# Altium PCB BaseBoard.PcbDoc (part 2 of 3) (continued)
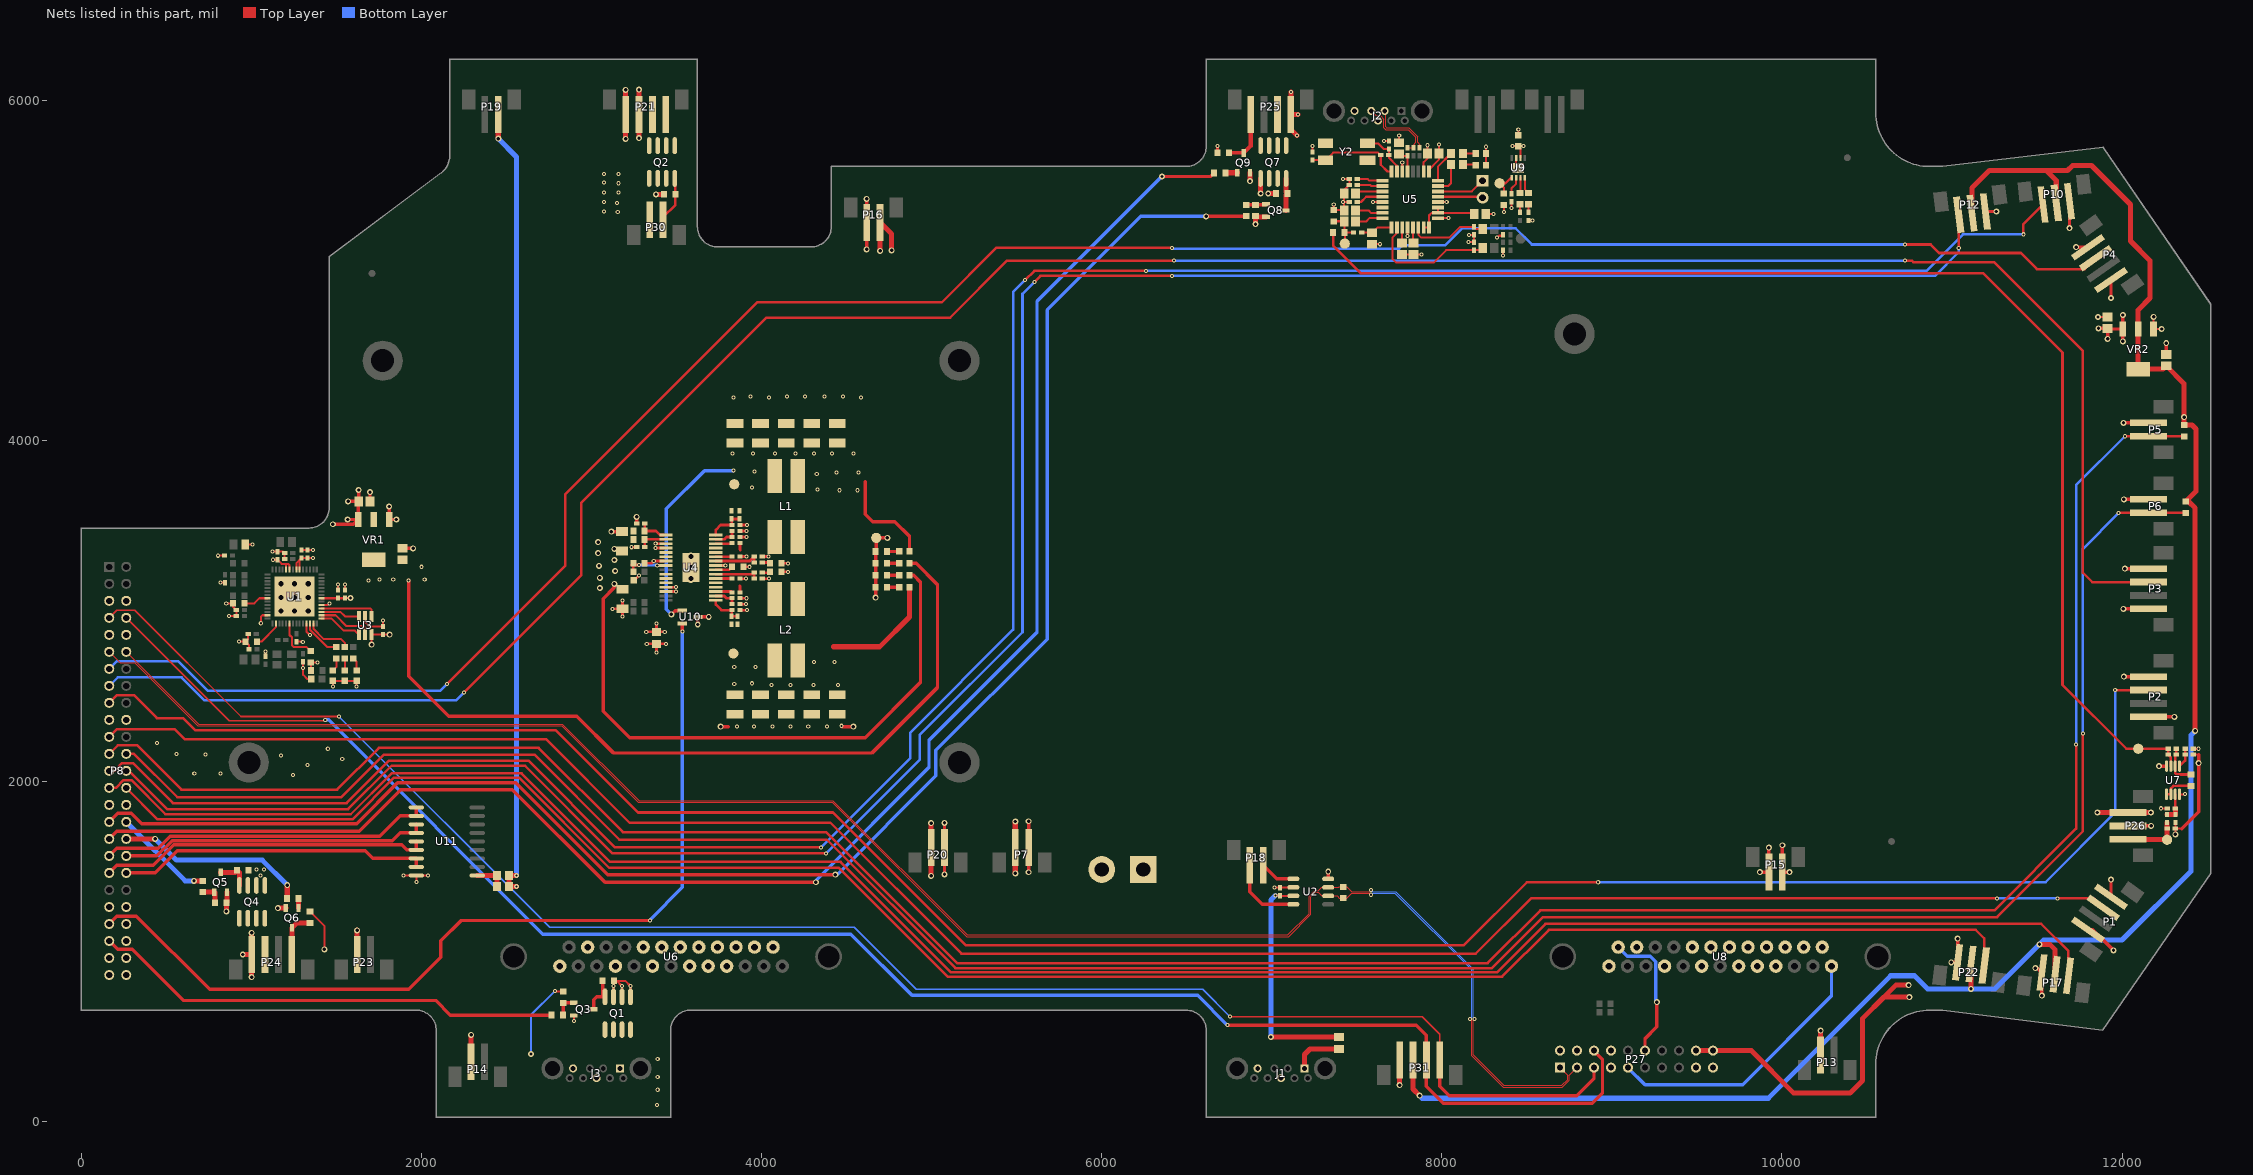
[diagram p4: the nets of this part, all layers, seen from the top]
## Nets (pads, with @x,y where several pads share a name; then routed paths per layer and width w, separated by ;. In a path a pad name is that pad's centre, name@x,y a point inside that pad or via, vN(x,y) a via of type N, cw(c..) or ccw(c..) an arc to the next point about the centre after c; other vN are vias at no path point) (continued)
ADC1: P8.43 U10.2 | length 5426.2
  Top Layer w20: P8.43@165,1160 210,1205 325,1205 755,775 1925,775 2115,965 2115,1060 2235,1180 v1(3345,1180) ; v1(3534.5,2880.5) U10.2@3534.5,2927.5
  Bottom Layer w20: v1(3345,1180) 3345,1185 3534.5,1374.5 v1(3534.5,2880.5)
ADC2/IO: P8.45 R64.1 | length 2782.1
  Top Layer w20: P8.45@165,1060 215,1010 300,1010 600,710 2085,710 2171,624 R64.1@2766.54,624
AGND: C22.2 C33.1 C35.2 C37.2 C39.1 C48.2 R16.2 R18.2 R21.2 R22.2 R23.2 R25.2 R32.2 R33.1 R35.1 U4.7 U4.25 | length 831.3
  Top Layer w16: R22.2@3313.46,3280 3353.23,3280 v1(3366.61,3293.39) U4.7@3438.5,3293.39 ; v1(3322.57,2877.43) R33.1@3383,2877.43 ; v1(3383,2926) R33.1@3383,2877.43 ; v1(3431.43,2877.43) R33.1@3383,2877.43 ; U4.25@3731.5,3267.8 v1(3787.2,3267.8) ; R35.1@3873.62,3005 v1(3914,3005) ; R32.2@3873.62,3040 v1(3910,3040) ; C48.2@3873.62,3075 v1(3911,3075) ; C39.1@3873.62,3190 v1(3909,3190) ; C33.1@3873.62,3320 v1(3911,3320) ; C22.2@3873.62,3435 v1(3911,3435) ; R18.2@3873.62,3470 v1(3912,3470) ; R16.2@3873.62,3505 v1(3914,3505) ; R25.2@3893.46,3260 v1(3929,3260) ; C37.2@4005,3190 v1(4044,3190) ; C35.2@4005,3320 v1(4041,3320) ; R23.2@4118.46,3230 v1(4155,3230) ; R21.2@4118.46,3280 v1(4156,3280)
AUDIO_USB_N: J2.2 R38.1 | length 378.6
  Top Layer w6.98: J2.2@7664.37,5940 7670,5934.37 7670,5845.98 7675,5840.98 7806.56,5840.98 7857.99,5789.55 7857.99,5754.87 7870,5742.86 R38.1@7870,5723.62
AUDIO_USB_P: J2.3 R39.1 R40.1 | length 456.6
  Top Layer w6.98: J2.3@7585.63,5940 7612.05,5913.58 7637.54,5913.58 7659.02,5892.09 7659.02,5841.43 7670.45,5830 7802.01,5830 7847.01,5785 7847.01,5754.87 7835,5742.86 R39.1@7835,5723.62 R40.1@7800,5723.62
BUTTON3: P5.1 P8.23 R10.1 | length 15420.6
  Top Layer w15: P8.23@165,2160 215,2210 330,2210 590,1950 1505,1950 1750,2195 2690,2195 3185,1700 4380,1700 5150,930 8270,930 8580,1240 11250,1240 11730,1720 v1(11730,2215) ; v1(12017.52,4027.52) P5.1@12155,4027.52 12364.02,4027.52 R10.1@12365,4026.54
  Bottom Layer w15: v1(11730,2215) 11730,3740 v1(12017.52,4027.52)
BUTTON4: P6.1 P8.24 R11.1 | length 14920.9
  Top Layer w15: P8.24@265,2160 310,2160 565,1905 1530,1905 1780,2155 2665,2155 3165,1655 4385,1655 5140,900 8295,900 8595,1200 11265,1200 11770,1705 v1(11770,2280) ; v1(11980,3575) 11982.52,3577.52 P6.1@12155,3577.52 12374.02,3577.52 R11.1@12375,3576.54
  Bottom Layer w15: v1(11770,2280) 11770,3365 v1(11980,3575)
CAN2H: P8.10
CAN2L: P8.9
CAN_N: P8.11 P27.3 R15.1 U2.6 | length 10364.5
  Top Layer w3.98: P8.11@165,2760 230,2695 315.89,2695 685.89,2325 2825.89,2325 3275.89,1875 4415.89,1875 5205.87,1085.02 7099.15,1085.02 7230,1215.87 7230,1320.01 7255,1345.01 7274.93,1345.01 7294.94,1325 U2.6@7332.36,1325 7384.86,1325 7398.33,1311.54 R15.1@7420,1311.54 7441.67,1311.54 7470.15,1340.01 7576.49,1340.01 v1(7585,1331.5) ; v1(8166.51,600) 8175.02,591.49 8175.02,385.87 8360.87,200.02 8709.13,200.02 8749.99,240.88 8749.99,269.99 P27.3@8795,315
  Bottom Layer w3.98: v1(7585,1331.5) 7593.51,1340.01 7725.01,1340.01 8175.02,890 8175.02,608.51 v1(8166.51,600)
CAN_P: P8.12 P27.1 R15.2 U2.7 | length 10239.6
  Top Layer w3.98: P8.12@265,2760 690.02,2334.98 2830.02,2334.98 3280.02,1884.98 4420.02,1884.98 5210,1095 7095.02,1095 7220.02,1220 7220.02,1324.14 7250.87,1354.99 7274.93,1354.99 7294.94,1375 U2.7@7332.36,1375 7394.86,1375 7398.33,1378.46 R15.2@7420,1378.46 7441.67,1378.46 7470.15,1349.99 7576.49,1349.99 v1(7585,1358.5) ; v1(8193.51,600) 8185,591.49 8185,390 8365,210 8705,210 8740.01,245.01 8740.01,269.99 P27.1@8695,315
  Bottom Layer w3.98: v1(7585,1358.5) 7593.51,1349.99 7729.14,1349.99 8185,894.13 8185,608.51 v1(8193.51,600)
ECHO_5: P1.3 P8.21 | length 12447.8
  Top Layer w15: P8.21@165,2260 210,2305 550,2305 610,2245 2735,2245 3225,1755 4405,1755 5175,985 8200,985 8525,1310 v1(11265,1310) ; v1(11620,1310) 11835,1310 P1.3@11890,1255
  Bottom Layer w15: v1(11265,1310) v1(11620,1310)
ECHO_6: P2.3 P8.17 | length 13660.6
  Top Layer w15: P8.17@165,2460 210,2505 310,2505 445,2370 600,2370 670,2300 2790,2300 3275,1815 4420,1815 5200,1035 8130,1035 8500,1405 v1(8920,1405) ; v1(11960,2535) P2.3@12155,2535
  Bottom Layer w15: v1(8920,1405) 11550,1405 11960,1815 v1(11960,2535)
ECHO_7: P3.3 P8.15 | length 14933.6
  Top Layer w15: v1(2250,2520) 2940,3210 2940,3635 4030,4725 5110,4725 5445,5060 v1(6425,5060) ; v1(10725,5060) 10765,5060 10775,5050 11250,5050 11770,4530 11770,3225 11825,3170 P3.3@12155,3170
  Bottom Layer w15: P8.15@165,2560 215,2610 590,2610 725,2475 2205,2475 v1(2250,2520) ; v1(6425,5060) v1(10725,5060)
ECHO_8: P4.3 P8.13 | length 13274.3
  Top Layer w15: v1(2150,2570) 2845,3265 2845,3685 3975,4815 5060,4815 5380,5135 v1(6415,5135) ; v1(10725,5155) 10875,5155 10925,5105 11405,5105 11500,5010 11780,5010 P4.3@11845,5075
  Bottom Layer w15: P8.13@165,2660 210,2705 570,2705 745,2530 2110,2530 v1(2150,2570) ; v1(6415,5135) 6420,5130 7750,5130 7770,5150 8020,5150 8120,5250 8435,5250 8530,5155 v1(10725,5155)
EECLK: U1.29 U3.4 | length 257.6
  Top Layer w12: U1.29@1413.5,2955 1473,2955 1543,2885 1609.6,2885 U3.4@1632.6,2862
EECS: U1.30 U3.5 | length 327.3
  Top Layer w12: U1.30@1413.5,2975 1496,2975 1560,2911 1662,2911 1670,2903 U3.5@1670,2862
EEDI: U1.32 U3.1 | length 336.6
  Top Layer w12: U1.32@1413.5,3015 1700,3015 1707.4,3007.6 U3.1@1707.4,2968
EEDO: U1.31 U3.3 | length 230.3
  Top Layer w12: U1.31@1413.5,2995 1524,2995 1551,2968 U3.3@1632.6,2968
FAN1_CTL: P8.31 R73.1 | length 9876.5
  Top Layer w20: P8.31@165,1760 215,1810 295,1810 355,1750 1620,1750 1860,1990 2555,1990 3095,1450 v2(4435,1450) ; v2(6615,5320) R73.1@6848.46,5320
  Bottom Layer w20: v2(4435,1450) 4445,1450 5025,2030 5025,2180 5680,2835 5680,4770 6230,5320 v2(6615,5320)
FAN1_PWM: P8.33 R76.2 | length 9808.6
  Top Layer w20: P8.33@165,1660 210,1705 1635,1705 1880,1950 2535,1950 3080,1405 v2(4320,1405) ; v2(6355,5555) 6641.54,5555 R76.2@6661.54,5575
  Bottom Layer w20: v2(4320,1405) 4320,1415 4985,2080 4985,2240 5620,2875 5620,4820 v2(6355,5555)
FAN2_CTL: P8.32 R68.1 | length 593.5
  Top Layer w30: v2(663.46,1413.46) R68.1@715,1413.46
  Bottom Layer w30: P8.32@265,1760 611.54,1413.46 v2(663.46,1413.46)
FAN2_PWM: P8.34 R71.2 | length 1137.5
  Top Layer w30: P8.34@265,1660 v2(435,1660) ; R71.2@1211.54,1310 v2(1211.54,1388.46)
  Bottom Layer w30: v2(435,1660) 560,1535 1065,1535 v2(1211.54,1388.46)
FB1: C47.1 R30.1 R35.2 U4.17 | length 205.3
  Top Layer w16: U4.17@3731.5,3063.07 3731.5,3038.5 3765,3005 R35.2@3826.38,3005 3825,3003.62 R30.1@3825,2968.62 C47.1@3860,2968.62
FB2: C24.2 R16.1 R20.2 U4.32 | length 218.2
  Top Layer w16: U4.32@3731.5,3446.93 3731.5,3476.5 3760,3505 R16.1@3826.38,3505 3825,3506.38 C24.2@3825,3541.38 R20.2@3870,3541.38
FDX: R12.2 U1.26 | length 233
  Top Layer w12: U1.26@1345,2926.5 1345,2891 1447.54,2788.46 R12.2@1500,2788.46
GND: C1.1 C2.1 C3.1 C4.1 C5.1 C6.1 C7.1 C8.1 C9.1 C10.1 C11.1 C12.1 C13.1 C14.1 C15.1 C16.1 C17.1 C18.1 C19.1 C20.2 C21.2 C25.1 C26.1 C27.1 C28.1 C29.1 C30.1 C32.1 C34.1 C38.1 C40.1 C42.1 C43.1 C44.1 C45.1 C46.1 C49.2 C50.1 C51.1 C53.1 C54.1 C55.1 C56.1 C57.2 C58.2 C59.1 C61.1 C62.1 C63.1 C66.1 C69.2 C70.1 C71.1 C72.1 J1.4 J1.7 J2.4 J2.7 J3.4 J3.7 P1.4 P2.4 P3.4 P4.4 P5.2 P6.2 P7.2 P8.5 P8.6 P8.19 P8.20 P8.29 P8.30 P8.41 P8.42 P9.2 P10.1 P12.1 P15.2 P16.2 P17.1 P20.2 P21.3 P21.4 P22.1 P24.1 P25.1 P26.2 P27.7 P27.8 P27.17 P27.19 P31.1 Q3.2 Q5.2 Q6.2 Q8.2 Q9.2 R6.1 R7.1 R26.2 R29.2 R31.2 R33.2 R34.2 R43.1 R44.1 R45.2 R46.2 R50.1 R53.2 R60.1 R63.1 R69.1 R74.1 TP3.0 U1.13 U1.33 U1.57 U2.2 U2.8 U3.2 U4.3 U4.4 U4.13 U4.14 U4.33 U5.1 U5.6 U5.13 U5.20 U5.25 U5.28 U6.1 U6.4 U6.6 U6.8 U6.9 U6.10 U6.15 U6.18 U7.4 U8.1 U8.4 U8.6 U8.8 U8.9 U8.10 U8.15 U8.18 U9.7 U9.9 U9.V U10.3 U11.9 VR1.1 VR2.1 | length 9155.1
  Top Layer w12: v1(804,3325) C5.1@842.76,3325 ; v1(818.38,3166.38) C4.1@846.38,3166.38 ; v1(853,3045) R6.1@892.91,3045 892.91,3024.84 C3.1@912.76,3005 C15.1@912.76,2970 v1(870,2970) ; v1(927,2820) R7.1@966.54,2820 ; C2.1@981.38,2865 981.38,2834.84 R7.1@966.54,2820 ; C6.1@986.38,2775 986.38,2800.16 R7.1@966.54,2820 ; v1(1056,2928) 1056,2966 1065,2975 U1.13@1096.5,2975 ; C16.1@1085,2733.62 v1(1085,2763) ; v1(1125.62,3348.62) C11.1@1155,3348.62 C14.1@1187.76,3348.62 ; C12.1@1196.38,3305 C14.1@1196.38,3340 ; C13.1@1266,2819.38 1300.62,2819.38 v1(1303,2817) ; C9.1@1295,3358.62 C10.1@1330,3358.62 v1(1362.38,3358.62) ; C17.1@1305,2701.38 v1(1305,2665) 1305,2625 1330,2600 C1.1@1353.5,2600 ; U1.33@1413.5,3035 1450,3035 v1(1460,3045) ; C7.1@1510,3123.62 v1(1510,3155) ; C8.1@1550,3123.62 v1(1550,3155) ; U3.2@1670,2968 1670,2933 1694.38,2908.62 C18.1@1775,2908.62 v1(1775,2943) ; v1(1895,1445) U11.9@1970.87,1445 ; v1(1970.87,1405.87) U11.9@1970.87,1445 ; v1(2040,1445) U11.9@1970.87,1445 ; v1(2896.93,588.07) Q3.2@2896.93,621.6 ; v1(7016.38,1373.62) C19.1@7050,1373.62 U2.2@7126.26,1373.62 ; C62.1@7240,5698.62 v1(7240,5735) ; v1(7365,5390) R50.1@7365,5358.46 C59.1@7423.07,5358.46 ; v1(7420,5540) C53.1@7456.38,5540 C54.1@7456.38,5505 7426.54,5475.16 C56.1@7426.54,5455 v1@7426.54,5411.54 ; C59.1@7426.54,5355 v1@7426.54,5398.46 ; v1@7426.54,5405 C55.1@7456.38,5405 ; C63.1@7590,5156.54 v1(7636.54,5156.54) ; v1(7595.75,5404.25) U5.13@7651,5404.25 ; v1(7661.38,5763.62) C61.1@7690,5763.62 ; C51.1@7750,5753.46 v1(7750,5795) ; C58.2@7765,5096.54 C57.2@7835,5096.54 v1(7881.54,5096.54) ; U5.6@7767.76,5584 v1(7767.76,5637.76) ; v1(7799.25,5205.75) U5.20@7799.25,5256 ; U5.1@7925.24,5584 7925.24,5595.24 7983.46,5653.46 C49.2@7983.46,5690 v1(7983.46,5743.46) ; U5.25@7979,5309.76 v1(8039.76,5309.76) ; U5.28@7979,5404.25 v1(8029.25,5404.25) ; v1(8156.38,5168.62) R45.2@8190,5168.62 R43.1@8190,5211.38 v1(8161.38,5211.38) ; C50.1@8258.46,5335 v1(8305,5335) ; v1(8325,5195) 8336.47,5206.47 8360,5206.47 R44.1@8360,5211.38 ; v1(8360,5090) R46.2@8360,5121.38 ; v1(8410,5370) C70.1@8410,5406.38 ; U9.V@8434.5,5610 8437.2,5612.7 U9.7@8437.2,5668.07 ; C66.1@8450,5796.5 v1(8450,5830) ; C69.2@8510,5296.38 v1(8533.62,5296.38) ; v2(11858.46,4728.46) C71.1@11915,4728.46 ; v2(12185.55,4729.45) VR2.1@12185.55,4658.11 v2(12233.11,4658.11) ; v1(12230,1840) R53.2@12266.38,1840 ; U7.4@12338.39,1922.32 12367.32,1922.32 v1(12370,1925) ; R60.1@12418.62,2190 v1(12450,2190)
  Top Layer w16: v1(3125.09,3012.91) C40.1@3183,3012.91 ; v1(3183,2967) C40.1@3183,3012.91 ; v1(3183,3061) C40.1@3183,3012.91 ; v1(3235,3375) C21.2@3266.38,3375 ; C38.1@3248.5,3180 3249.49,3180 3278.99,3209.5 v1(3279.25,3209.5) ; v1(3325.43,2806.57) R33.2@3383,2806.57 ; v1(3377.16,3370.16) U4.4@3438.5,3370.16 ; v1(3378.25,3395.75) U4.3@3438.5,3395.75 ; v1(3383,2757) R33.2@3383,2806.57 ; v1(3437.57,2806.57) R33.2@3383,2806.57 ; U4.14@3438.5,3114.25 v1(3497.75,3114.25) ; U4.13@3438.5,3139.84 v1(3496.84,3139.84)
  Top Layer w20: C30.1@1698.46,3645 v2(1698.46,3698.46) ; v2(1810.55,3614.45) VR1.1@1810.55,3538.11 v2(1853.11,3538.11) ; C32.1@1890,3368.46 v2(1951.54,3368.46) ; v2(3117.91,3467.09) C34.1@3180,3467.09 ; C20.2@3266.38,3515 v2(3266.38,3553.62) ; v2(3625.5,2920.5) U10.3@3625.5,2965 v2(3690,2965) ; v2(3760,2320) 3805,2320 ; v1@4475,2320 v2(4540,2320) ; v2(4618.74,5126.26) P16.2@4618.74,5285 v2(4618.74,5423.74) ; v2(4671.54,3078.46) R26.2@4671.54,3140 R29.2@4671.54,3210 R31.2@4671.54,3280 R34.2@4671.54,3350 4675,3353.46 TP3.0@4675,3430 v2(4740,3430) ; v2(5076.26,1451.26) P20.2@5076.26,1610 v2(5076.26,1753.74) ; v2(5571.26,1463.74) P7.2@5571.26,1610 v2(5571.26,1763.74) ; U2.8@7332.36,1425 7332.36,1467.64 v2(7332.64,1467.64) ; v2(9870,1465) P15.2@9923.74,1465 v2(9923.74,1608.74) ; v2(10995.81,934.19) P22.1@11033.69,934.19 v2(11033.69,1073.69) ; P12.1@11196.31,5349.19 v2(11260.81,5349.19) ; v2(11490,900) 11502.89,900 P17.1@11528.69,874.19 v2(11528.69,738.69) ; v2(11691.31,5251.31) P10.1@11691.31,5409.19 ; v2(11730.5,5139.5) P4.4@11799.84,5139.5 ; v2(11935,1420) 11935.16,1419.84 P1.4@11935.16,1319.5 ; v2(12008.74,4106.26) P5.2@12155,4106.26 ; v2(12011.26,2613.74) P2.4@12155,2613.74 ; v2(12011.26,3656.26) P6.2@12155,3656.26 ; v2(12016.26,3248.74) P3.4@12155,3248.74 ; P26.2@12035,1736.26 v2(12171.26,1736.26) ; C72.1@12260,4508.46 v2(12260,4575)
  Top Layer w30: v2(853.46,1233.46) R69.1@853.46,1285 857.4,1288.94 Q5.2@857.4,1346.93 ; v2(950,980) P24.1@1002.52,980 ; v2(1002.52,847.52) P24.1@1002.52,980 ; v2(1002.52,1107.52) P24.1@1002.52,980 ; v2(1156.93,1253.07) Q6.2@1202.6,1253.07 ; v2(3201.26,5776.26) P21.4@3201.26,5920 v2(3201.26,6063.74) ; v2(3280,5780) P21.3@3280,5920 v2(3280,6065) ; v2(3380,5450) R63.1@3426.54,5450 ; v2(6872.4,5527.6) Q9.2@6872.4,5576.93 ; v2(6905,5275) R74.1@6905,5321.54 6908.94,5317.6 Q8.2@6966.93,5317.6 ; v1(7112.48,6052.52) P25.1@7112.48,5920 ; v1(7150,5795) 7112.48,5832.52 P25.1@7112.48,5920 ; v1(7155,5920) P25.1@7112.48,5920 ; v2(7752.52,212.48) P31.1@7752.52,360
  Bottom Layer w16: v1(3279.25,3209.5) v1@3279.25,3209.75
  other v1: 1245,2035 665,2045 820,2045 1330,2095 1535,2130 1175,2150 730,2155 560,2160 1450,2190 445,2225 3855,2320 3955,2320 4065,2320 4170,2320 4275,2320 4385,2320 4470,2325 3835,4255 4045,4255 4585,4255 3935,4260 4150,4260 4255,4260 4370,4260 4480,4260 7420,5405
  other v3: 1175,3000 1255,3000 1335,3000 1175,3080 1255,3080 1335,3080 1175,3160 1255,3160 1335,3160 3585,3190 3585,3255 3585,3320
I2C_SCL: P8.7 P27.5 P31.4 | length 10216.3
  Top Layer w10: P8.7@165,2960 210,3005 315,3005 940,2380 v1(1515,2380) ; v1(6755,615) 7885,615 7988.74,511.26 P31.4@7988.74,360
  Top Layer w20: P31.4@7988.74,360 7988.74,206.26 8045,150 8795,150 8895,250 P27.5@8895,315
  Bottom Layer w10: v1(1515,2380) 2755,1140 4545,1140 4910,775 6595,775 v1(6755,615)
I2C_SDA: P8.8 P27.6 P31.3 | length 10338
  Top Layer w10: P8.8@265,2960 870,2355 1430,2355 v1(1435,2360)
  Top Layer w20: v1(6740,565) 7850,565 7910,505 P31.3@7910,360 7910,205 8010,105 8885,105 8945,165 8945,365 P27.6@8895,415
  Bottom Layer w20: v1(1435,2360) 1455,2360 2715,1100 4525,1100 4885,740 6565,740 v1(6740,565)
ICSP_3.3V: P27.9 U8.13 | length 1629.4
  Bottom Layer w20: P27.9@9095,315 9195,215 9770,215 10291.73,736.73 U8.13@10291.73,911.9
INF5: P8.25 P10.3 | length 14652.3
  Top Layer w15: P8.25@165,2060 195,2060 240,2105 305,2105 540,1870 1560,1870 1810,2120 2630,2120 3140,1610 v1(4350,1610) ; v1(5550,4945) 5605,5000 v1(6260,5000) ; v1(11420,5215) 11420,5275 P10.3@11535,5390
  Bottom Layer w15: v1(4350,1610) 4875,2135 4875,2285 5480,2890 5480,4875 v1(5550,4945) ; v1(6260,5000) 10850,5000 11065,5215 v1(11420,5215)
INF6: P8.26 P12.3 | length 14122
  Top Layer w15: P8.26@265,2060 280,2060 505,1835 1570,1835 1825,2090 2610,2090 3125,1575 v1(4380,1575) ; v1(5605,4935) 5640,4970 v1(6415,4970) ; v1(11040,5135) P12.3@11040,5330
  Bottom Layer w15: v1(4380,1575) 4930,2125 4930,2270 5535,2875 5535,4865 v1(5605,4935) ; v1(6415,4970) 10900,4970 11040,5110 v1(11040,5135)
INF7: P8.27 P17.3 | length 12534.8
  Top Layer w15: P8.27@165,1960 205,1960 250,2005 295,2005 495,1805 1585,1805 1825,2045 2590,2045 3110,1525 4465,1525 5115,875 8325,875 8610,1160 11525,1160 11685,1000 P17.3@11685,855
INF8: P8.28 P22.3 | length 11882.4
  Top Layer w15: P8.28@265,1960 450,1775 1595,1775 1840,2020 2575,2020 3105,1490 4455,1490 5095,850 8355,850 8630,1125 11140,1125 11190,1075 P22.3@11190,915
LED1: P8.35 U11.1 U11.2 | length 1953.2
  Top Layer w20: P8.35@165,1560 210,1605 454.29,1605 524.29,1675 1755,1675 1875,1795 U11.2@1970.87,1795 U11.1@1970.87,1845
LED2: P8.36 U11.3 U11.4 | length 1811.8
  Top Layer w20: P8.36@265,1560 444.64,1560 534.64,1650 1830,1650 1875,1695 U11.4@1970.87,1695 U11.3@1970.87,1745
LED3: P8.37 U11.5 U11.6 | length 1936.6
  Top Layer w20: P8.37@165,1460 210,1505 425,1505 545,1625 1885,1625 1915,1595 U11.6@1970.87,1595 U11.5@1970.87,1645
LED4: P8.38 U11.7 U11.8 | length 1828.4
  Top Layer w20: P8.38@265,1460 435,1460 565,1590 1670,1590 1715,1545 U11.7@1970.87,1545 U11.8@1970.87,1495
LNK: R13.2 U1.27 | length 273.8
  Top Layer w12: U1.27@1365,2926.5 1365,2897 1427,2835 1528,2835 1550,2813 R13.2@1550,2788.46
MCLR: P27.12 U8.14 | length 810.2
  Top Layer w20: P27.12@9195,415 9195,485 9265,555 v2(9265,700)
  Bottom Layer w20: U8.14@9037.6,1023.71 9091.31,970 9225,970 9257.87,937.13 9257.87,707.13 v2(9265,700)
MIC_IN: C64.1 R48.1 R49.2 R50.2 TP5.0 | length 241.6
  Top Layer w12: R50.2@7365,5291.54 C64.1@7425,5291.54 ; C64.1@7428.46,5288.07 R49.2@7428.46,5225 ; TP5.0@7430,5160 7430,5223.46 R49.2@7428.46,5225 ; R48.1@7481.38,5225 R49.2@7428.46,5225
MIC_OPAMP_OUT: C68.2 R49.1 R57.1 TP7.0 U7.7 | length 7465.9
  Top Layer w15: R49.1@7361.54,5225 7361.54,5148.46 7525,4985 11185,4985 11650,4520 11650,2565 12025,2190 TP7.0@12095.69,2190 C68.2@12271.38,2190 R57.1@12271.38,2155 12287.2,2139.17 U7.7@12287.2,2087.68
NC1: Y2.4
NC2: Y2.2
NC3: U5.14
NetC20_1: C20.1 R17.2 U4.1 | length 179.7
  Top Layer w16: C20.1@3313.62,3515 3313.62,3470.16 R17.2@3313.46,3470 3380,3470 3403.07,3446.93 U4.1@3438.5,3446.93
NetC21_1: C21.1 R19.2 U4.2 | length 170.7
  Top Layer w16: C21.1@3313.62,3375 3313.62,3419.84 R19.2@3313.46,3420 3314.8,3421.34 U4.2@3438.5,3421.34
NetC22_1: C22.1 R18.1 U4.31 | length 135.5
  Top Layer w16: U4.31@3731.5,3421.34 3781.34,3421.34 3795,3435 C22.1@3826.38,3435 R18.1@3826.38,3470
NetC23_1: C23.1 U4.30 | length 96.6
  Top Layer w16: U4.30@3731.5,3395.75 3822.13,3395.75 C23.1@3826.38,3400
NetC23_2: C23.2 L1.1 L1.2 U4.28 U4.29 | length 42
  Top Layer w16: C23.2@3873.62,3400 3873.62,3361.38 3876,3359
NetC31_1: C31.1 R21.1 | length 48.6
  Top Layer w16: C31.1@4005,3285 4046.54,3285 R21.1@4051.54,3280
NetC31_2: C31.2 C35.1 U4.26 | length 272.3
  Top Layer w16: U4.26@3731.5,3293.39 3931.14,3293.39 C35.1@3957.76,3320 C31.2@3957.76,3285
NetC33_2: C33.2 U4.27 | length 95.3
  Top Layer w16: U4.27@3731.5,3318.98 3825.35,3318.98 C33.2@3826.38,3320
NetC36_1: C36.1 R23.1 | length 48.6
  Top Layer w16: C36.1@4005,3225 4046.54,3225 R23.1@4051.54,3230
NetC36_2: C36.2 C37.1 U4.23 | length 264.7
  Top Layer w16: U4.23@3731.5,3216.61 3949.37,3216.61 C36.2@3957.76,3225 C37.1@3957.76,3190
NetC39_2: C39.2 U4.22 | length 95.3
  Top Layer w16: U4.22@3731.5,3191.02 3825.35,3191.02 C39.2@3826.38,3190
NetC41_1: C41.1 U4.19 | length 96.6
  Top Layer w16: U4.19@3731.5,3114.25 3822.13,3114.25 C41.1@3826.38,3110
NetC41_2: C41.2 L2.1 L2.2 U4.20 U4.21 | length 37.3
  Top Layer w16: 3873,3147 3873.62,3146.38 C41.2@3873.62,3110
NetC48_1: C48.1 R32.1 U4.18 | length 135.5
  Top Layer w16: U4.18@3731.5,3088.66 3781.34,3088.66 3795,3075 C48.1@3826.38,3075 R32.1@3826.38,3040
NetC50_2: C50.2 U5.23 U5.24 U5.26 U5.27 | length 407.8
  Top Layer w12: U5.23@7893.74,5256 U5.24@7925.24,5256 7925.24,5325.24 7941.26,5341.26 U5.26@7979,5341.26 ; U5.27@7979,5372.76 U5.26@7979,5341.26 ; C50.2@8191.54,5335 8185.28,5341.26 U5.26@7979,5341.26
NetC51_2: C51.2 R40.2 U5.5 | length 146.9
  Top Layer w12: C51.2@7750,5686.54 7760.16,5676.38 R40.2@7800,5676.38 7799.25,5675.63 U5.5@7799.25,5584
NetC52_1: C52.1 R43.2 U5.22 | length 461.9
  Top Layer w12: U5.22@7862.24,5256 7862.24,5212.76 7880,5195 8045,5195 8108.62,5258.62 R43.2@8190,5258.62 8203.62,5245 C52.1@8241.54,5245
NetC53_2: C53.2 U5.9 | length 151.4
  Top Layer w12: C53.2@7503.62,5540 7565,5540 7574.76,5530.24 U5.9@7651,5530.24
NetC54_2: C54.2 U5.10 | length 150
  Top Layer w12: C54.2@7503.62,5505 7580,5505 7586.26,5498.74 U5.10@7651,5498.74
NetC55_2: C55.2 U5.12 | length 160.1
  Top Layer w12: C55.2@7503.62,5405 7525,5405 7555.75,5435.75 U5.12@7651,5435.75
NetC56_2: C56.2 U5.11 | length 162.6
  Top Layer w12: C56.2@7493.46,5455 7505.71,5467.24 U5.11@7651,5467.24
NetC57_1: C57.1 U5.21 | length 88.3
  Top Layer w12: C57.1@7830.75,5167.72 U5.21@7830.75,5256
NetC58_1: C58.1 U5.19 | length 89.8
  Top Layer w12: C58.1@7765,5163.46 U5.19@7765,5253.24
NetC59_2: C59.2 U5.15 | length 163.2
  Top Layer w12: C59.2@7493.46,5355 7570,5355 7583.74,5341.26 U5.15@7651,5341.26
NetC60_1: C60.1 R45.1 U5.18 | length 771.9
  Top Layer w12: U5.18@7736.26,5256 7736.26,5221.26 7710,5195 7710,5070 7730,5050 7955,5050 8026.38,5121.38 R45.1@8190,5121.38 8227.91,5121.38 C60.1@8241.54,5135
NetC61_2: C61.2 R42.1 U5.7 Y2.3 | length 292.6
  Top Layer w12: Y2.3@7564,5750 7625,5750 7658.62,5716.38 C61.2@7690,5716.38 7688.62,5715 R42.1@7688.62,5680 7688.62,5666.38 7736.26,5618.74 U5.7@7736.26,5584
NetC62_2: C62.2 R42.2 U5.8 Y2.1 | length 561
  Top Layer w12: C62.2@7240,5651.38 Y2.1@7314.62,5651.38 ; Y2.1@7316,5650 7361,5695 7626.38,5695 R42.2@7641.38,5680 7641.38,5623.62 7681,5584 U5.8@7704.76,5584
NetC63_2: C63.2 R48.2 U5.17 | length 188.1
  Top Layer w12: R48.2@7528.62,5225 C63.2@7588.46,5225 ; C63.2@7590,5223.46 7622.54,5256 U5.17@7704.76,5256
NetC64_2: C64.2 U5.16 | length 165.7
  Top Layer w12: C64.2@7493.46,5290 7555,5290 7574.76,5309.76 U5.16@7651,5309.76
NetC65_1: C65.1 R51.2 R53.1 U7.3 | length 166.5
  Top Layer w15: R53.1@12312.8,1840.83 U7.3@12312.8,1922.32
  Top Layer w30: C65.1@12265,1803.62 R51.2@12315,1803.62 ; R51.2@12313.62,1805 R53.1@12313.62,1840
NetC65_2: C65.2 P26.1 R52.1 TP6.0 | length 332.4
  Top Layer w30: P26.1@12035,1657.52 12262.48,1657.52 TP6.0@12265,1655 C65.2@12265,1756.38
NetC67_1: C67.1 R54.1 | length 47.9
  Top Layer w12: C67.1@8460,5343.62 R54.1@8460,5391.54
NetC68_1: C68.1 R55.1 R57.2 U7.6 | length 232.8
  Top Layer w15: R57.2@12312.8,2149.17 U7.6@12312.8,2087.68 12312.8,2047.2 12321.54,2038.46 R55.1@12405,2038.46 ; R57.2@12318.62,2155 C68.1@12318.62,2190
NetC69_1: C69.1 R56.1 | length 47.9
  Top Layer w12: C69.1@8510,5343.62 R56.1@8510,5391.54
NetC70_2: C70.2 U9.2 | length 109.6
  Top Layer w12: C70.2@8410,5453.62 8410,5485 8437.2,5512.2 U9.2@8437.2,5551.93
NetD1_K: D1.K R12.1 | length 79.5
  Top Layer w12: D1.K@1480,2650.31 1500,2670.31 R12.1@1500,2721.54
NetD2_K: D2.K R13.1 | length 71.2
  Top Layer w12: D2.K@1550,2650.31 R13.1@1550,2721.54
NetD3_K: D3.K R14.1 | length 79.5
  Top Layer w12: R14.1@1600,2721.54 1620,2701.54 D3.K@1620,2650.31
NetD4_K: D4.K R26.1 | length 71.2
  Top Layer w20: R26.1@4738.46,3140 D4.K@4809.69,3140
NetD5_K: D5.K R29.1 | length 71.2
  Top Layer w20: R29.1@4738.46,3210 D5.K@4809.69,3210
NetD6_K: D6.K R31.1 | length 71.2
  Top Layer w20: R31.1@4738.46,3280 D6.K@4809.69,3280
NetD7_K: D7.K R34.1 | length 71.2
  Top Layer w20: R34.1@4738.46,3350 D7.K@4809.69,3350
NetD8_K: D8.K R36.2 | length 74.3
  Top Layer w12: R36.2@8125.43,5690 D8.K@8199.69,5690
NetD9_K: D9.K R37.2 | length 76.3
  Top Layer w12: R37.2@8125.43,5625 8194.68,5625 D9.K@8199.69,5620
NetFB4_1: FB4.1 J1.1 | length 298.3
  Top Layer w30: J1.1@7192.8,310 7192.8,392.8 7224.96,424.96 FB4.1@7395,424.96
NetJ3_1: J3.1 Q1.5 Q1.6 Q1.7 Q1.8
NetP11_1: P11.1 U5.30 | length 287
  Top Layer w12: U5.30@7979,5467.24 8177.24,5467.24 P11.1@8240,5530
NetP11_2: P11.2 U5.29 | length 263.4
  Top Layer w12: U5.29@7979,5435.75 8234.25,5435.75 P11.2@8240,5430
NetP18_1: P18.1 U2.1 | length 210.9
  Top Layer w20: P18.1@6949.88,1505 7029.88,1425 U2.1@7127.64,1425
NetP18_2: P18.2 U2.4 | length 443.2
  Top Layer w20: P18.2@6871.14,1505 6871.14,1348.86 6945,1275 U2.4@7127.64,1275
NetP21_1: P21.1 P21.2 Q2.5 Q2.6 Q2.7 Q2.8
NetP24_2: P24.2 Q4.5 Q4.6 Q4.7 Q4.8
NetP24_4: P24.4 Q6.3 R70.1 | length 274.7
  Top Layer w30: P24.4@1238.74,980 1240,981.26 Q6.3@1240,1136.93 1269.61,1166.54 R70.1@1345,1166.54
NetP25_2: P25.2 Q7.5 Q7.6 Q7.7 Q7.8
NetP25_4: P25.4 Q9.3 R75.1 | length 331.4
  Top Layer w20: R75.1@6748.46,5695 6833.07,5695 Q9.3@6835,5693.07
  Top Layer w25: Q9.3@6835,5693.07 6876.26,5734.33 P25.4@6876.26,5920
NetP30_2: P30.2 Q2.4 R63.2 | length 274.9
  Top Layer w15: P30.2@3421.26,5300 3421.26,5316.26 3493.46,5388.46 R63.2@3493.46,5450 3493.46,5540.08 Q2.4@3490,5543.54
NetQ1_4: Q1.4 Q3.3 R61.1 | length 227.7
  Top Layer w20: Q3.3@3013.07,659 3013.07,713.07 3031.46,731.46 Q1.4@3080,731.46 3066.54,744.92 R61.1@3066.54,825
NetQ3_1: Q3.1 R62.1 R64.2 | length 134.5
  Top Layer w20: R64.2@2833.46,624 2833.46,694 R62.1@2835,695.54 2835.87,696.4 Q3.1@2896.93,696.4
NetQ4_4: Q4.4 Q5.3 R67.1 | length 195.6
  Top Layer w30: Q5.3@820,1463.07 904.61,1463.07 R67.1@916.54,1475 930,1461.54 Q4.4@930,1386.46
NetQ5_1: Q5.1 R68.2 R69.2 | length 131.3
  Top Layer w30: R68.2@715,1346.54 782.2,1346.54 Q5.1@782.6,1346.93 786.54,1342.99 R69.2@786.54,1285
NetQ6_1: Q6.1 R71.1 | length 57.4
  Top Layer w30: Q6.1@1277.4,1253.07 1277.4,1308.94 R71.1@1278.46,1310
NetQ7_4: Q7.4 Q8.3 R72.1 | length 196.4
  Top Layer w30: Q8.3@7083.07,5355 7083.07,5444.61 R72.1@7093.46,5455 7085,5463.46 Q7.4@7085,5543.54
NetQ8_1: Q8.1 R73.2 R74.2 | length 118.6
  Top Layer w20: R73.2@6850,5388.46 R74.2@6905,5388.46 6962.99,5388.46 Q8.1@6966.93,5392.4
NetQ9_1: Q9.1 R76.1 | length 69.9
  Top Layer w30: R76.1@6728.46,5575 6730.39,5576.93 Q9.1@6797.6,5576.93
NetR6_2: R6.2 U1.8 | length 149.1
  Top Layer w12: R6.2@959.84,3045 1018,3045 1048,3075 U1.8@1096.5,3075
NetR7_2: R7.2 U1.16 | length 168.2
  Top Layer w12: R7.2@1033.46,2820 1060,2820 1145,2905 U1.16@1145,2926.5
NetR9_2: R9.2 U1.20 | length 259.6
  Top Layer w12: U1.20@1225,2926.5 1225,2859 1240,2844 1240,2797 1248,2789 1324.46,2789 R9.2@1350,2763.46
NetR22_1: R22.1 R24.1 U4.8 | length 267
  Top Layer w16: R24.1@3246.54,3230 R22.1@3246.54,3280 3236.54,3270 v1(3280,3270) ; v1(3387.2,3267.8) U4.8@3438.5,3267.8
  Bottom Layer w16: v1(3280,3270) 3385,3270 v1(3387.2,3267.8)
NetR25_1: R25.1 U4.24 | length 102.4
  Top Layer w16: U4.24@3731.5,3242.2 3808.74,3242.2 R25.1@3826.54,3260
NetR36_1: R36.1 U5.32 | length 191.1
  Top Layer w12: U5.32@7979,5530.24 7979,5614.43 R36.1@8054.57,5690
NetR37_1: R37.1 U5.31 | length 192.6
  Top Layer w12: U5.31@7979,5498.74 8038.74,5498.74 8054.57,5514.57 R37.1@8054.57,5625
NetR54_2: R54.2 U9.3 | length 94.6
  Top Layer w12: R54.2@8460,5458.46 8462.8,5461.26 U9.3@8462.8,5551.93
NetR55_2: R55.2 U7.1 U7.2 | length 184.2
  Top Layer w15: U7.1@12261.61,1922.32 U7.2@12287.2,1922.32 12287.2,1957.2 12301.54,1971.54 R55.2@12405,1971.54
NetR56_2: R56.2 U9.4 | length 102.4
  Top Layer w12: U9.4@8488.39,5551.93 8488.69,5551.63 8488.69,5479.78 R56.2@8510,5458.46
NetR58_2: R58.2 R60.2 U7.5 | length 116
  Top Layer w15: U7.5@12338.39,2087.68 12371.38,2120.67 R58.2@12371.38,2155 R60.2@12371.38,2190
NetR59_1: R59.1 TP8.0 U9.1 | length 158.8
  Top Layer w12: R59.1@8365,5453.46 8365,5490 TP8.0@8340,5515 8374.69,5515 U9.1@8411.61,5551.93
NetR65_1: R65.1 R66.1 U11.10 | length 180.4
  Top Layer w30: U11.10@2329.13,1445 R66.1@2444.57,1445 R65.1@2444.57,1380